# KiCad board Wrap030-Multiuser.kicad_pcb (continued)
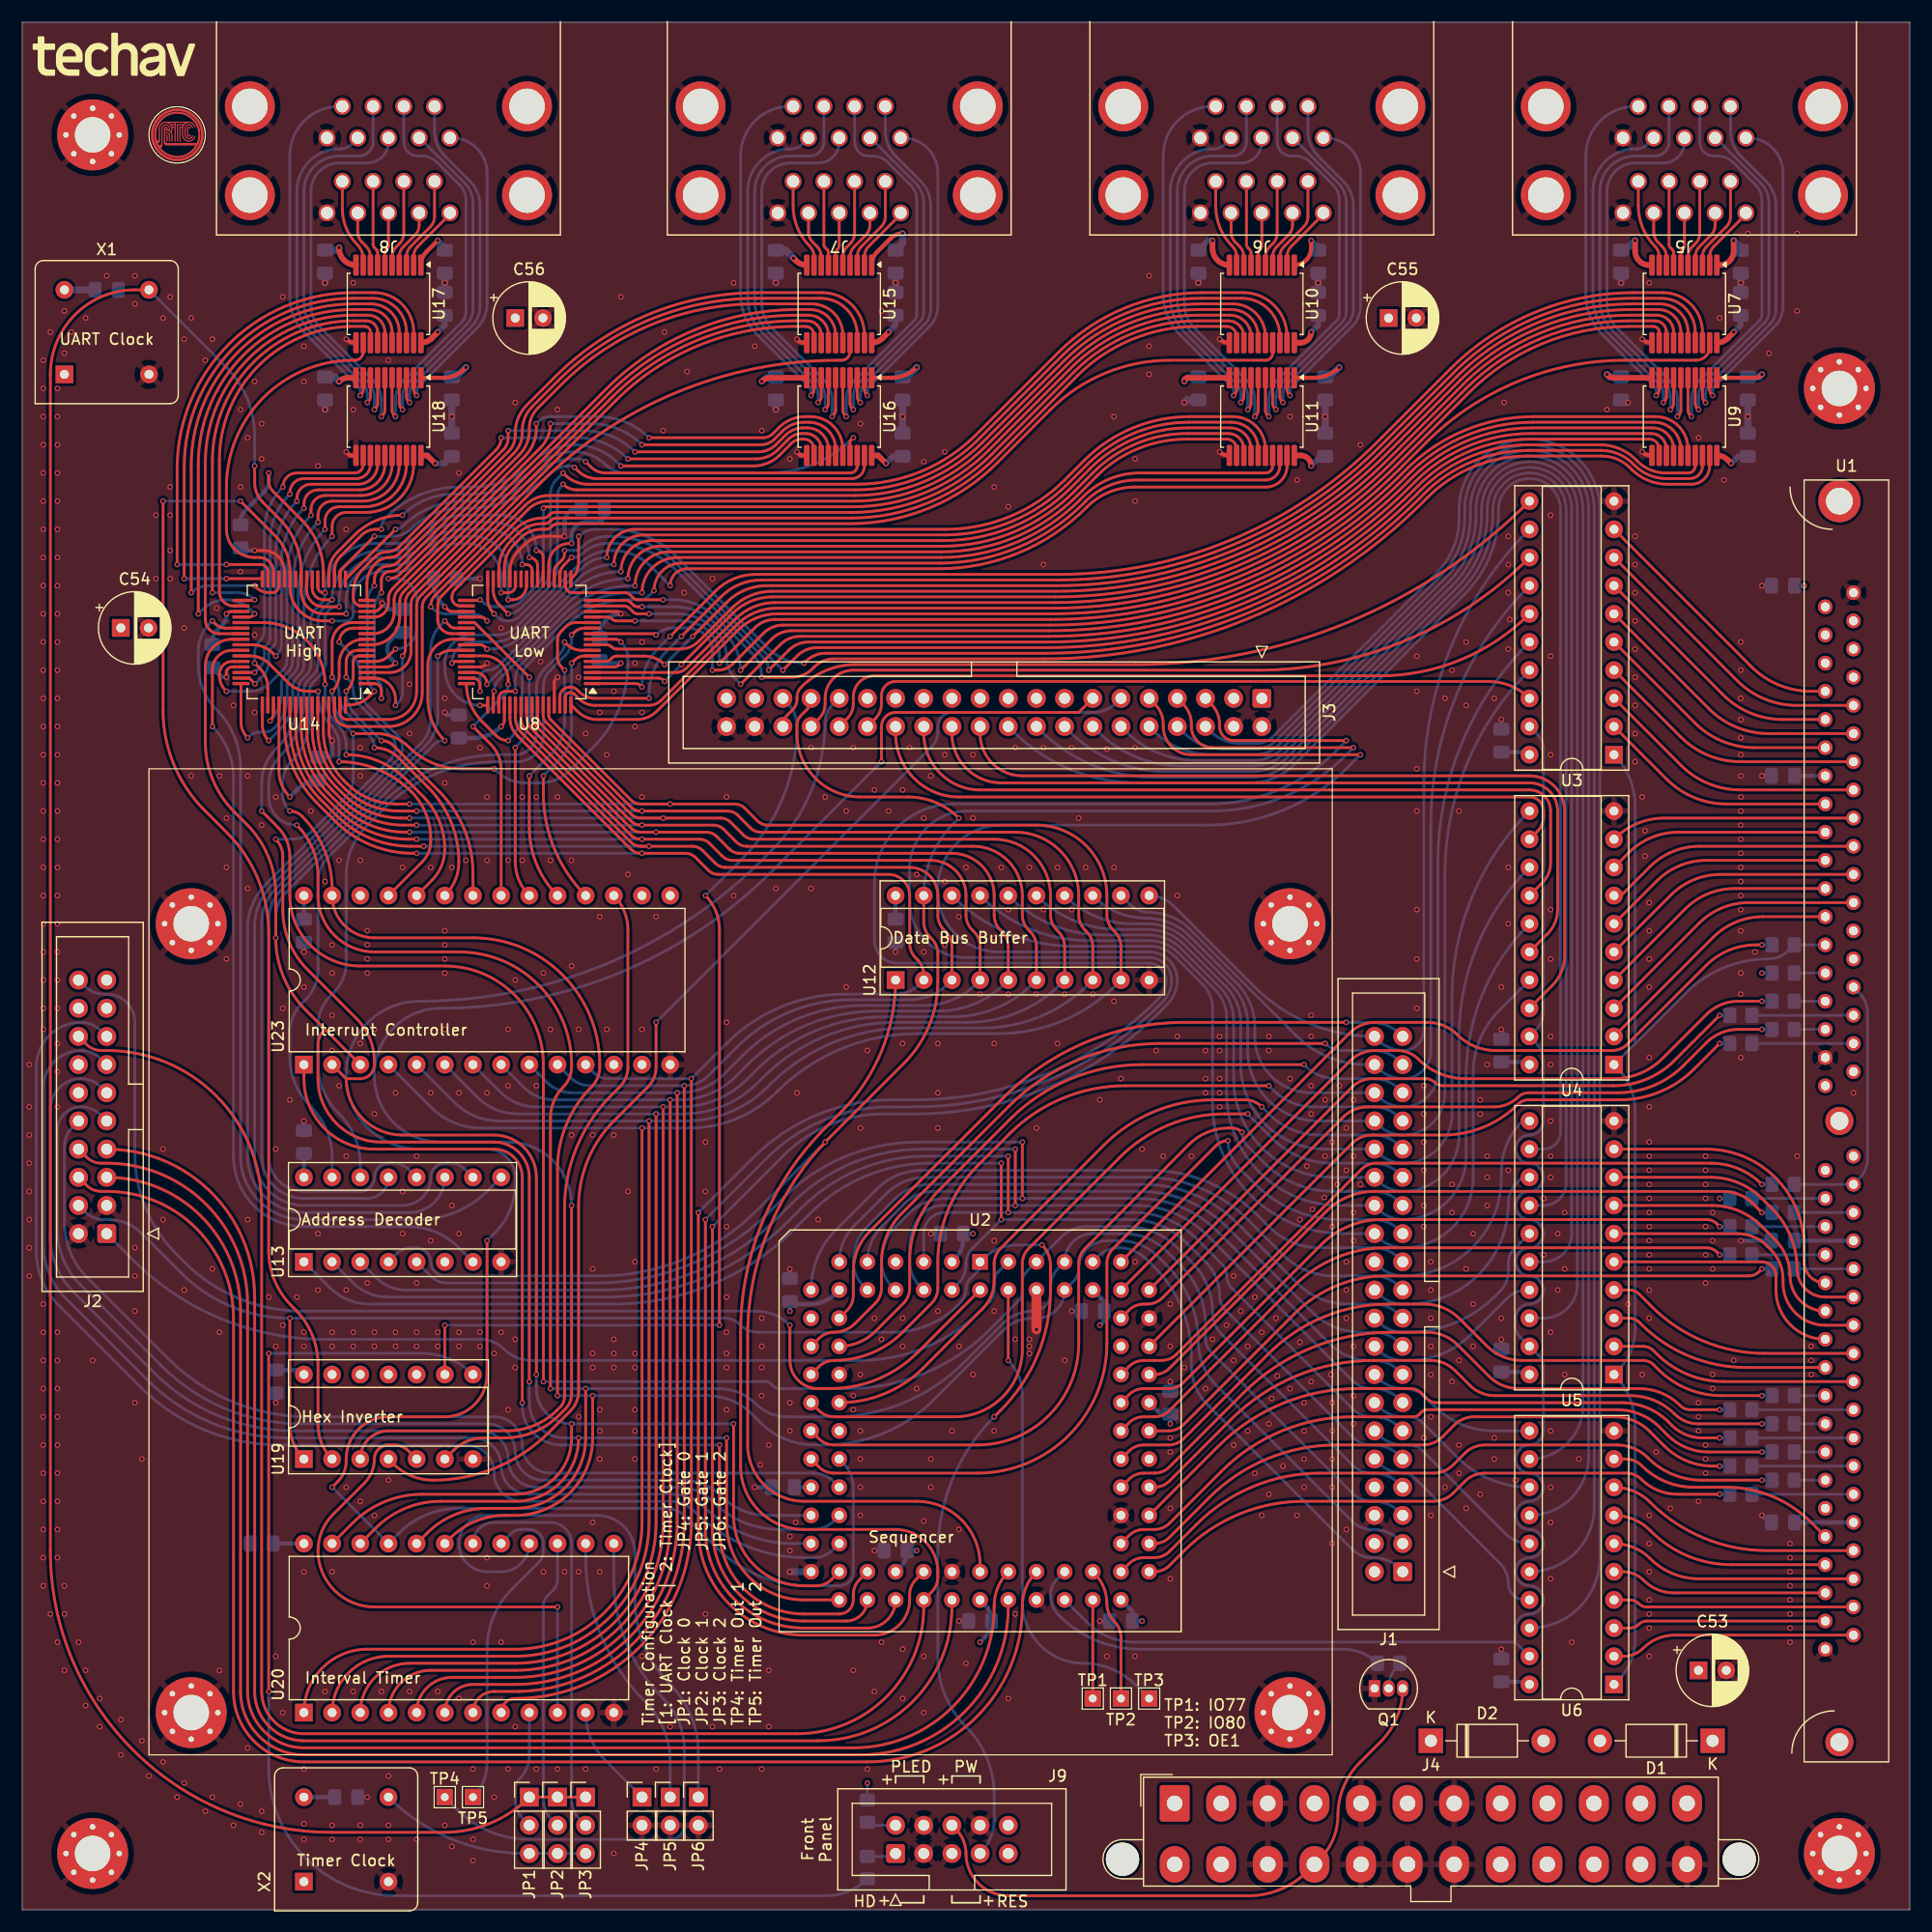
[diagram p0: board, top side]
## Routing (per net, layer and track width the routed paths; a pad name or vN(x,y) marks a point on that pad's centre or on a via; arc(x,y) is an arc through that point) (continued)
  Bottom w0.254: v1(18.42,109.86) 20.54,109.86 arc(21.51,110.05) 22.33,110.6 23.5,111.77 arc(23.78,112.18) 23.88,112.67 23.88,120.52 arc(24.44,123.34) v1(26.03,125.73)
/UART7-RXD: length 32
  Top w0.254: 34,131.12 34,130.3 arc(33.03,127.97) 30.69,127 27.94,127 arc(27.04,126.63) 26.67,125.73 v1(26.67,125.1) ; U14.51 22.65,107.91 arc(22.57,107.52) v1(22.35,107.19)
  Bottom w0.254: v1(26.67,125.1) arc(24.98,122.56) 24.38,119.58 24.38,112.54 arc(24.29,112.05) 24.01,111.64 23.74,111.37 arc(23.46,110.96) 23.37,110.47 23.37,109.64 arc(23.1,108.31) v1(22.35,107.19)
/UART7-TXD: length 28
  Top w0.254: U14.41 20.79,114.05 arc(21.76,113.86) 22.58,113.31 v1(22.86,113.03) ; 32.7,131.12 32.7,130.3 arc(32.03,128.69) 30.41,128.02 26.67,128.02 arc(25.77,127.64) 25.4,126.75 v1(25.4,126.37)
  Bottom w0.254: v1(22.86,113.03) 23,113.17 arc(23.27,113.58) 23.37,114.06 23.37,121.46 arc(23.9,124.11) v1(25.4,126.37)
/UART-CLK: length 245.9
  Top w0.254: JP3.1 JP1.1 arc(42.2,7.81) 38.05,6.99 27.94,6.99 arc(9.98,14.42) 2.54,32.39 2.54,138.43 arc(4.77,143.82) 10.16,146.05 X1.5 ; v1(20.95,130.18) 20.95,128.69 arc(21.15,127.72) 21.7,126.89 23.2,125.39 arc(24.64,123.23) 25.15,120.69 U14.25 25.15,118.87 arc(25.75,117.44) 27.18,116.84 v1(29.21,116.84) ; U8.25 45.47,119.38 arc(45.1,118.48) 44.2,118.11 v1(43.81,118.11)
  Bottom w0.254: v1(43.81,118.11) 43.81,120.65 arc(42.89,122.9) 40.64,123.83 39.8,123.83 arc(37.64,123.4) 35.81,122.17 35.67,122.03 arc(34.84,121.48) 33.87,121.29 32.39,121.29 arc(30.14,120.36) 29.21,118.11 v1(29.21,116.84) ; v1(20.95,130.18) 20.95,132.89 arc(20.29,136.25) 18.38,139.1 X1.5
/UART-D24: length 193.6
  Top w0.254: U12.2 81.28,84.3 arc(81.13,85.03) 80.72,85.65 80.57,85.8 arc(80.16,86.42) 80.01,87.15 80.01,91.44 arc(79.45,92.79) 78.11,93.35 62.76,93.35 arc(62.27,93.44) 61.86,93.72 60.7,94.88 arc(60.28,95.15) 59.8,95.25 v1(55.88,95.25) 55.77,95.25 arc(55.29,95.35) 54.87,95.62 44.64,105.86 arc(44.14,106.6) 43.97,107.47 U8.53 ; U14.53 23.65,106.82 arc(24.4,103.03) 26.55,99.81 28.22,98.15 arc(31.43,96) 35.22,95.25 v1(35.56,95.25) ; v1(60.33,74.93) 60.33,34.93 arc(55.68,23.7) 44.45,19.05 arc(43.55,18.68) U20.8
  Bottom w0.254: U12.2 80.91,83.45 arc(79.91,82.78) 78.74,82.55 74.15,82.55 arc(68.42,81.41) 63.56,78.16 v1(60.33,74.93) 52.86,74.93 arc(52.13,75.08) 51.51,75.49 U23.11 ; v1(35.56,95.25) v1(55.88,95.25)
/UART-D25: length 202.1
  Top w0.254: U8.54 44.47,107.5 arc(44.62,106.72) 45.07,106.06 54.87,96.26 arc(55.29,95.98) 55.77,95.89 v1(56.52,95.89) 60.43,95.89 arc(60.92,95.79) 61.33,95.51 62.49,94.35 arc(62.91,94.08) 63.39,93.98 80.01,93.98 arc(81.81,93.24) 82.55,91.44 82.55,89.69 arc(82.7,88.96) 83.11,88.34 83.26,88.19 arc(83.67,87.57) 83.82,86.84 U12.3 ; v1(36.2,95.89) 35.01,95.89 arc(31.41,96.6) 28.36,98.64 26.9,100.1 arc(24.87,103.15) 24.15,106.74 U14.54 ; v1(59.69,74.3) 59.69,34.93 arc(55.36,24.29) 44.84,19.69 44.83,19.69 42.55,19.69 arc(41.2,19.13) U20.7
  Bottom w0.254: U23.10 49.42,75.04 arc(50.25,74.49) 51.22,74.3 v1(59.69,74.3) arc(60.86,74.53) 61.86,75.19 64.47,77.8 arc(69.16,80.94) 74.7,82.04 79.95,82.04 arc(81.88,82.43) 83.52,83.52 U12.3 ; v1(36.2,95.89) v1(56.52,95.89)
/UART-D26: length 209.4
  Top w0.254: U8.55 44.97,107.53 arc(45.11,106.85) 45.49,106.27 54.87,96.89 arc(55.29,96.62) 55.77,96.52 v1(55.88,96.52) 61.07,96.52 arc(61.55,96.42) 61.97,96.15 63.13,94.99 arc(63.54,94.71) 64.03,94.62 81.92,94.62 arc(84.16,93.69) 85.09,91.44 85.09,89.69 arc(85.24,88.96) 85.65,88.34 85.8,88.19 arc(86.21,87.57) 86.36,86.84 U12.4 ; v1(35.56,96.52) 34.8,96.52 arc(31.4,97.2) 28.51,99.12 27.25,100.38 arc(25.33,103.27) 24.65,106.67 U14.55 ; v1(59.06,73.66) 59.06,34.93 arc(54.78,24.6) 44.45,20.32 40.64,20.32 arc(38.84,19.58) U20.6
  Bottom w0.254: U23.9 47.33,74.59 arc(48.36,73.9) 49.58,73.66 v1(59.06,73.66) 59.25,73.66 arc(61.42,74.09) 63.26,75.32 64.94,77 arc(69.96,80.36) 75.88,81.53 81.34,81.53 arc(83.87,82.04) 86.01,83.47 U12.4 ; v1(35.56,96.52) v1(55.88,96.52)
/UART-D27: length 218.6
  Top w0.254: U8.56 45.47,107.56 arc(45.59,106.98) 45.92,106.48 54.87,97.53 arc(55.29,97.25) 55.77,97.16 v1(57.15,97.16) 61.7,97.16 arc(62.19,97.06) 62.6,96.78 63.76,95.62 arc(64.18,95.35) 64.66,95.25 83.82,95.25 arc(86.51,94.13) 87.63,91.44 87.63,89.69 arc(87.78,88.96) 88.19,88.34 88.34,88.19 arc(88.75,87.57) 88.9,86.84 U12.5 ; v1(34.92,97.16) 34.59,97.16 arc(31.38,97.79) 28.66,99.61 27.61,100.66 arc(25.79,103.38) 25.15,106.59 U14.56 ; v1(58.42,73.03) 58.42,34.93 arc(54.33,25.05) 44.45,20.96 38.73,20.96 arc(36.49,20.03) U20.5
  Bottom w0.254: U23.8 45.24,74.14 arc(46.48,73.32) 47.93,73.03 v1(58.42,73.03) 59.26,73.03 arc(62,73.57) 64.33,75.12 65.43,76.23 arc(70.75,79.78) 77.02,81.03 82.59,81.03 arc(85.84,81.67) 88.59,83.51 U12.5 ; v1(34.92,97.16) v1(57.15,97.16)
/UART-D28: length 225.3
  Top w0.254: U14.57 25.65,106.52 arc(26.25,103.5) 27.96,100.95 28.81,100.1 arc(31.36,98.39) 34.38,97.79 v1(35.56,97.79) ; v1(57.78,72.39) 57.78,34.93 arc(53.88,25.5) 44.45,21.59 36.83,21.59 arc(34.14,20.47) U20.4 ; U12.6 91.44,86.84 arc(91.29,87.57) 90.88,88.19 90.73,88.34 arc(90.32,88.96) 90.17,89.69 90.17,91.44 arc(88.87,94.58) 85.73,95.89 65.3,95.89 arc(64.81,95.98) 64.4,96.26 63.24,97.42 arc(62.82,97.69) 62.34,97.79 v1(55.88,97.79) 55.77,97.79 arc(55.29,97.89) 54.87,98.16 46.34,106.69 arc(46.07,107.11) 45.97,107.59 U8.57
  Bottom w0.254: v1(35.56,97.79) v1(55.88,97.79) ; U23.7 43.15,73.69 arc(44.59,72.73) 46.29,72.39 v1(57.78,72.39) 59.34,72.39 arc(62.6,73.04) 65.36,74.88 66.12,75.65 arc(71.52,79.25) 77.88,80.52 83.9,80.52 arc(87.82,81.3) 91.13,83.51 U12.6
/UART-D29: length 235.2
  Top w0.254: U14.58 26.15,106.44 arc(26.71,103.62) 28.31,101.23 28.96,100.58 arc(31.35,98.99) 34.17,98.43 v1(34.92,98.43) ; v1(57.15,71.76) 57.15,34.93 arc(53.43,25.94) 44.45,22.23 34.92,22.23 arc(31.78,20.92) U20.3 ; U8.58 46.47,107.62 arc(46.55,107.23) 46.77,106.9 54.87,98.8 arc(55.29,98.52) 55.77,98.43 v1(57.78,98.43) 62.97,98.43 arc(63.46,98.33) 63.87,98.05 65.03,96.89 arc(65.45,96.62) 65.93,96.52 87.63,96.52 arc(91.22,95.03) 92.71,91.44 92.71,89.69 arc(92.86,88.96) 93.27,88.34 93.42,88.19 arc(93.83,87.57) 93.98,86.84 U12.7
  Bottom w0.254: U12.7 93.64,83.48 arc(89.8,80.91) 85.26,80.01 78.76,80.01 arc(72.29,78.72) 66.8,75.06 66.27,74.52 arc(63.2,72.47) 59.58,71.76 v1(57.15,71.76) 44.65,71.76 arc(42.71,72.14) 41.06,73.24 U23.6 ; v1(34.92,98.43) v1(57.78,98.43)
/UART-D30: length 241.3
  Top w0.254: U8.59 46.97,107.65 arc(47.03,107.36) 47.19,107.11 54.87,99.43 arc(55.29,99.16) 55.77,99.06 v1(55.88,99.06) 63.61,99.06 arc(64.09,98.96) 64.51,98.69 65.67,97.53 arc(66.08,97.25) 66.57,97.16 89.54,97.16 arc(93.58,95.48) 95.25,91.44 95.25,89.69 arc(95.4,88.96) 95.81,88.34 95.96,88.19 arc(96.37,87.57) 96.52,86.84 U12.8 ; v1(35.56,99.06) 33.96,99.06 arc(31.33,99.58) 29.11,101.07 28.66,101.52 arc(27.17,103.74) 26.65,106.37 U14.59 ; v1(56.52,71.12) 56.52,34.93 arc(52.98,26.39) 44.45,22.86 33.02,22.86 arc(29.43,21.37) U20.2
  Bottom w0.254: v1(35.56,99.06) v1(55.88,99.06) ; U12.8 96.18,83.48 arc(91.77,80.54) 86.57,79.5 79.72,79.5 arc(73.07,78.18) 67.42,74.41 67.2,74.18 arc(63.81,71.92) 59.8,71.12 v1(56.52,71.12) 43.01,71.12 arc(40.82,71.56) 38.97,72.79 U23.5
/UART-D31: length 251.8
  Top w0.254: U12.9 99.06,86.84 arc(98.91,87.57) 98.5,88.19 98.35,88.34 arc(97.94,88.96) 97.79,89.69 97.79,91.44 arc(95.93,95.93) 91.44,97.79 67.2,97.79 arc(66.72,97.89) 66.3,98.16 65.14,99.32 arc(64.73,99.6) 64.24,99.7 v1(58.42,99.7) 55.77,99.7 arc(55.29,99.79) 54.87,100.07 47.62,107.32 arc(47.51,107.49) 47.47,107.68 U8.60 ; U14.60 27.15,106.29 arc(27.63,103.86) 29.01,101.8 29.26,101.55 arc(31.32,100.18) 33.75,99.7 v1(34.92,99.7) ; v1(55.88,70.49) 55.88,34.93 arc(52.53,26.84) 44.45,23.5 31.12,23.5 arc(27.07,21.82) U20.1
  Bottom w0.254: v1(34.92,99.7) v1(58.42,99.7) ; U23.4 36.88,72.34 arc(38.94,70.97) 41.37,70.49 v1(55.88,70.49) 60.19,70.49 arc(64.42,71.33) 68.01,73.73 arc(73.85,77.62) 80.73,78.99 88.03,78.99 arc(93.76,80.13) 98.62,83.38 U12.9
/~{CPU-AS}: length 111
  Top w0.254: U2.2 80.74,50.26 arc(77.12,47.84) 72.84,46.99 71.76,46.99 arc(69.96,47.73) 69.22,49.53 v1(69.22,52.71)
  Bottom w0.254: J2.20 5.61,83.29 arc(6.43,82.74) 7.4,82.55 7.62,82.55 arc(9.42,81.81) 10.16,80.01 10.16,68.13 arc(11.13,63.27) 13.88,59.15 14.68,58.35 arc(19.52,55.11) 25.23,53.98 66.15,53.98 arc(67.81,53.64) v1(69.22,52.71)
/~{CPU-CBACK}: length 195
  Top w0.254: v1(120.02,104.78) 107.32,104.78 arc(105.97,105.33) 105.41,106.68 105.41,106.9 arc(105.22,107.87) 104.67,108.69 J3.7 ; v1(61.59,62.23) 61.59,34.29 arc(64.2,28) 70.48,25.4 76.2,25.4 arc(78,26.14) U2.37
  Bottom w0.254: v1(120.02,104.78) 119.3,104.06 arc(113.76,100.36) 107.23,99.06 85.19,99.06 arc(81.53,97.54) 80.01,93.88 80.01,90.93 arc(81.5,87.34) 85.09,85.85 101.6,85.85 arc(103.04,85.26) 103.63,83.82 arc(103.42,82.76) 102.82,81.87 102.44,81.48 arc(92.37,74.75) 80.48,72.39 78.27,72.39 arc(72.25,71.19) 67.15,67.78 v1(61.59,62.23)
/~{CPU-CBREQ}: length 204
  Top w0.254: v1(60.96,62.87) 60.96,34.29 arc(63.75,27.55) 70.48,24.77 76.84,24.77 arc(79.08,25.69) 80.01,27.94 80.01,28.42 arc(80.16,29.15) 80.57,29.77 U2.40 ; v1(119.38,105.41) 109.22,105.41 arc(108.32,105.78) 107.95,106.68 107.95,106.9 arc(107.76,107.87) 107.21,108.69 J3.5
  Bottom w0.254: v1(60.96,62.87) 65.94,67.84 arc(71.68,71.68) 78.45,73.03 80.53,73.03 arc(92.37,75.38) 102.41,82.09 arc(102.94,82.88) 103.12,83.82 arc(102.68,84.9) 101.6,85.34 78.87,85.34 arc(77.43,85.94) 76.84,87.38 76.84,92.57 arc(78.92,97.61) 83.96,99.7 107,99.7 arc(113.16,100.92) 118.38,104.41 v1(119.38,105.41)
/~{CPU-DSACK0}: length 129.4
  Top w0.254: U2.41 83.82,27.31 arc(80.29,18.77) 71.76,15.24 25.4,15.24 arc(22.26,16.54) 20.95,19.69 20.95,55.25 arc(17.05,64.67) J2.7
/~{CPU-DSACK1}: length 134
  Top w0.254: U2.45 88.9,27.31 arc(84.99,17.88) 75.56,13.97 25.4,13.97 arc(21.36,15.64) 19.69,19.69 19.69,53.98 arc(16.15,62.51) J2.5
/~{CPU-STERM}: length 188.7
  Top w0.254: v1(62.23,61.59) 62.23,34.29 arc(64.65,28.45) 70.48,26.04 74.3,26.04 arc(75.64,26.59) U2.35 ; J3.9 102.13,108.69 arc(102.68,107.87) 102.87,106.9 102.87,106.68 arc(103.61,104.88) 105.41,104.14 v1(120.65,104.14)
  Bottom w0.254: v1(120.65,104.14) 119.56,103.05 arc(113.73,99.16) 106.87,97.79 88.27,97.79 arc(84.22,96.12) 82.55,92.08 82.55,91.81 arc(84.15,87.96) 88,86.36 101.6,86.36 arc(103.4,85.62) 104.14,83.82 arc(103.91,82.65) 103.24,81.65 102.4,80.81 arc(92.37,74.11) 80.54,71.76 77.65,71.76 arc(72.79,70.79) 68.67,68.04 v1(62.23,61.59)
/~{IDE-CE}: length 89.2
  Top w0.254: v1(38.1,52.71) U19.9 ; v1(62.87,52.71) 62.87,88.37 arc(62.53,90.03) v1(61.59,91.44)
  Bottom w0.254: v1(62.87,52.71) v1(38.1,52.71) ; v1(61.59,91.44) 64.91,94.76 arc(68.57,100.23) 69.85,106.68 arc(69.62,107.85) 68.95,108.85 J3.35
/~{IO-RD}: length 196.1
  Top w0.254: 27.3,79.38 25.55,81.13 arc(23.56,84.11) v1(22.86,87.63) 22.86,91.57 arc(22.18,94.97) 20.26,97.85 19.11,99 arc(17.19,101.88) 16.51,105.28 16.51,112.14 arc(17.22,113.84) 18.92,114.55 U14.40 ; 27.3,79.38 U23.3 ; 27.3,79.38 27.2,79.27 arc(26.81,78.68) 26.67,78 26.67,74.93 arc(28.34,70.89) 32.39,69.22 42.55,69.22 arc(44.79,68.29) 45.72,66.04 v1(45.72,47.62) ; v1(63.5,42.55) 63.5,34.93 arc(65.55,29.99) 70.48,27.94 U2.33 ; U20.22 31.87,34.41 arc(34.55,36.2) 37.71,36.83 44.45,36.83 arc(48.49,38.5) v1(50.17,42.55) ; U8.40 38.88,114.55 arc(37.25,113.88) 36.58,112.25 36.58,109.09 arc(36.97,107.1) v1(38.1,105.41)
  Bottom w0.254: v1(63.5,42.55) v1(50.17,42.55) 48.72,42.55 48.72,42.55 arc(46.65,43.48) 45.72,45.55 45.72,45.55 v1(45.72,47.62) ; v1(38.1,105.41) 37.99,105.41 arc(37.51,105.31) 37.09,105.04 23.79,91.73 arc(23.1,90.7) 22.86,89.49 v1(22.86,87.63)
/~{IO-WR}: length 200
  Top w0.254: U8.9 53.47,114.55 arc(53.71,114.5) 53.91,114.36 v1(53.98,114.3) ; v1(46.36,48.26) 46.36,66.04 arc(45.24,68.73) 42.55,69.85 34.29,69.85 arc(30.7,71.34) 29.21,74.93 ; v1(42.55,102.87) 39.58,102.87 arc(37.04,103.38) 34.89,104.81 arc(33.52,105.72) 31.91,106.05 v1(29.84,106.05) ; v1(27.94,109.86) 28.02,109.93 arc(28.43,110.55) 28.58,111.28 28.58,112.32 arc(29.23,113.9) 30.81,114.55 U14.9 ; 29.21,74.93 30.48,74.93 arc(31.38,75.3) 31.75,76.2 31.75,76.51 arc(31.34,78.57) 30.17,80.32 25.73,84.76 arc(24.08,87.24) 23.5,90.15 23.5,94.99 arc(23.33,95.82) v1(22.86,96.52) ; 29.21,74.93 U23.2 ; v1(49.53,43.82) 49.53,42.55 arc(48.04,38.95) 44.45,37.47 36.07,37.47 arc(32.67,36.79) 29.78,34.86 U20.23 ; v1(64.14,43.82) 64.14,35.56 arc(65.99,31.07) 70.48,29.21 71.6,29.21 arc(72.33,29.36) 72.95,29.77 U2.34
  Bottom w0.254: v1(64.14,43.82) v1(49.53,43.82) arc(47.28,44.74) 46.36,46.99 v1(46.36,48.26) ; v1(53.98,114.3) 54.05,114.23 arc(54.46,113.61) 54.61,112.88 54.61,112.34 arc(53.8,108.28) 51.51,104.85 49.38,102.72 arc(48.14,101.89) 46.68,101.6 45.39,101.6 arc(43.94,101.89) 42.7,102.72 v1(42.55,102.87) ; v1(22.86,96.52) 24.35,96.52 arc(25.32,96.71) 26.14,97.26 29.1,100.22 arc(29.65,101.05) 29.84,102.02 v1(29.84,106.05) 29.29,106.6 arc(28.29,108.1) v1(27.94,109.86)
/~{IRQ0}: length 111.2
  Top w0.254: v1(57.15,80.01) 57.15,75.98 arc(56.96,75.01) 56.41,74.19 53.36,71.14 arc(50.99,67.6) 50.17,63.43 50.17,46.77 arc(49.97,45.8) 49.42,44.98 47.51,43.07 arc(42.71,39.86) 37.05,38.74 arc(35.09,39.13) 33.42,40.24 U19.4
  Bottom w0.254: J3.11 98.68,108.84 arc(97.69,108.18) 96.52,107.95 83.82,107.95 arc(82.92,107.58) 82.55,106.68 82.55,106.2 arc(82.4,105.47) 81.99,104.85 v1(57.15,80.01)
/~{IRQ1}: length 135.3
  Top w0.254: J3.13 95.25,107.95 78.74,107.95 arc(77.84,107.58) 77.47,106.68 v1(77.47,103.51) ; U19.6 38.89,41.43 arc(40.13,42.25) 41.58,42.55 43.46,42.55 arc(46.13,43.08) 48.4,44.59 48.97,45.16 arc(49.38,45.78) 49.53,46.51 v1(49.53,63.5)
  Bottom w0.254: v1(77.47,103.51) 67.64,93.67 arc(53.91,84.5) 37.72,81.28 arc(33.5,79.53) 31.75,75.31 31.75,75.18 arc(33.5,70.96) 37.72,69.22 43.81,69.22 arc(47.86,67.54) v1(49.53,63.5)
/~{MEM-CAS0-R}: length 9.2
  Bottom w0.254: R14.2 U1.40
/~{MEM-CAS0}: length 62.7
  Top w0.254: v1(153.04,78.11) 150.74,75.81 arc(147.66,73.75) 144.02,73.03 135.78,73.03 arc(135.3,72.93) 134.88,72.65 arc(131.78,70.58) 128.12,69.85 121.7,69.85 arc(120.73,69.66) 119.91,69.11 U2.70
  Bottom w0.254: R14.1 v1(153.04,78.11)
/~{MEM-CAS1-R}: length 2.8
  Bottom w0.254: U1.43 R15.2
/~{MEM-CAS1}: length 70.6
  Top w0.254: v1(156.85,81.92) 154.71,81.92 arc(153.16,81.61) 151.85,80.73 147.88,76.76 arc(145.85,75.41) 143.46,74.93 130.12,74.93 arc(127.82,75.39) 125.88,76.69 arc(125.01,77.27) 123.99,77.47 121.97,77.47 arc(120.75,77.23) 119.72,76.54 U2.76
  Bottom w0.254: R15.1 v1(156.85,81.92)
/~{MEM-CAS2-R}: length 2.8
  Bottom w0.254: U1.41 R16.2
/~{MEM-CAS2}: length 68.4
  Top w0.254: v1(156.85,79.38) 154.72,79.38 arc(153.16,79.07) 151.84,78.18 149.78,76.12 arc(147.05,74.3) 143.84,73.66 135.78,73.66 arc(135.3,73.56) 134.88,73.29 arc(133.89,72.62) 132.72,72.39 121.33,72.39 arc(120.12,72.15) 119.09,71.46 102.79,55.17 arc(102.17,54.76) 101.45,54.61 101.12,54.61 arc(100.39,54.46) 99.77,54.05 U2.73
  Bottom w0.254: R16.1 v1(156.85,79.38)
/~{MEM-CAS3-R}: length 9.2
  Bottom w0.254: R17.2 165.1,80.65
/~{MEM-CAS3}: length 62.6
  Top w0.254: v1(153.04,80.65) 148.95,76.56 arc(146.44,74.88) 143.48,74.3 128.11,74.3 arc(127.67,74.38) 127.3,74.63 arc(126.97,74.85) 126.58,74.93 121.7,74.93 arc(120.73,74.74) 119.91,74.19 U2.74
  Bottom w0.254: R17.1 v1(153.04,80.65)
/~{MEM-CE}: length 148.8
  Bottom w0.254: 134.62,24.13 U6.19 ; 134.62,24.13 100.31,24.13 arc(97.98,24.59) 96.01,25.91 U2.49 ; 134.62,24.13 134.62,25.4 arc(134.99,26.3) 135.89,26.67 arc(136.79,27.04) 137.16,27.94 arc(136.79,28.84) 135.89,29.21 arc(134.99,29.58) 134.62,30.48 arc(134.99,31.38) 135.89,31.75 arc(136.79,32.12) 137.16,33.02 arc(136.79,33.92) 135.89,34.29 arc(134.99,34.66) 134.62,35.56 arc(134.99,36.46) 135.89,36.83 arc(136.79,37.2) 137.16,38.1 arc(136.79,39) 135.89,39.37 arc(134.99,39.74) 134.62,40.64 arc(134.99,41.54) 135.89,41.91 arc(136.79,42.28) 137.16,43.18 137.16,49 arc(137.06,49.49) 136.79,49.9 U5.19 134.99,51.7 arc(134.72,52.11) 134.62,52.59 134.62,53.45 arc(135.03,54.28) 135.89,54.61 arc(136.79,54.98) 137.16,55.88 arc(136.79,56.78) 135.89,57.15 arc(134.99,57.52) 134.62,58.42 arc(134.99,59.32) 135.89,59.69 arc(136.79,60.06) 137.16,60.96 arc(136.79,61.86) 135.89,62.23 arc(134.99,62.6) 134.62,63.5 arc(134.99,64.4) 135.89,64.77 arc(136.79,65.14) 137.16,66.04 arc(136.79,66.94) 135.89,67.31 arc(134.99,67.68) 134.62,68.58 arc(134.99,69.48) 135.89,69.85 arc(136.79,70.22) 137.16,71.12 137.16,76.42 arc(136.97,77.39) 136.42,78.21 U4.19 136.42,79.27 arc(136.97,80.09) 137.16,81.06 137.16,104.67 arc(137.02,105.35) 136.64,105.93 U3.19
/~{MEM-RAS-R}: length 24
  Bottom w0.254: R13.2 165.1,65.41 165.63,65.93 arc(166.18,66.76) 166.37,67.73 166.37,80.86 arc(166.18,81.83) 165.63,82.66 U1.44
/~{MEM-RAS}: length 66.8
  Top w0.254: U2.69 99.77,48.97 arc(100.39,49.38) 101.12,49.53 102.72,49.53 arc(103.44,49.68) 104.06,50.09 120.73,66.75 arc(121.35,67.16) 122.07,67.31 152.25,67.31 arc(154.73,66.81) v1(156.85,65.41)
  Bottom w0.254: R13.1 v1(156.85,65.41)
/~{MEM-WE-R}: length 107.6
  Bottom w0.254: U1.47 R18.2 159.22,86.47 arc(158.4,85.92) 157.43,85.73 arc(153.37,84.92) 149.93,82.62 145.42,78.11 ; 145.42,78.11 U4.1 143.83,75.88 arc(145,74.12) 145.42,72.05 145.42,52.33 arc(145.02,50.33) 143.89,48.64 U5.1 arc(144.92,46.15) 145.42,43.66 145.42,24.34 arc(145.03,22.39) 143.92,20.73 U6.1 ; 145.42,78.11 145.42,99.54 arc(144.92,102.03) U3.1
/~{MEM-WE}: length 71.8
  Top w0.254: U2.75 119.72,79.08 arc(120.75,79.77) 121.97,80.01 126.69,80.01 arc(128.15,79.72) 129.39,78.89 arc(130.96,77.84) 132.82,77.47 143.36,77.47 arc(144.08,77.62) 144.7,78.03 151.81,85.14 arc(153.87,86.51) 156.3,87 v1(156.85,87)
  Bottom w0.254: R18.1 v1(156.85,87)
/~{PIC-CE}: length 94.2
  Top w0.254: v1(62.87,41.91) 62.87,34.29 arc(65.1,28.9) 70.48,26.67 73.66,26.67 arc(74.56,27.04) 74.93,27.94 74.93,28.42 arc(75.08,29.15) 75.49,29.77 U2.36 ; U23.1 25.4,74.93 arc(27.26,70.44) 31.75,68.58 42.55,68.58 arc(44.34,67.84) 45.09,66.04 v1(45.09,45.72)
  Bottom w0.254: v1(62.87,41.91) 48.62,41.91 arc(46.12,42.95) 45.09,45.45 v1(45.09,45.72)
/~{PIT-CE}: length 184.1
  Top w0.254: v1(41.91,60.33) 41.91,48.26 arc(40.79,45.57) 38.1,44.45 33.02,44.45 arc(30.33,43.33) 29.21,40.64 29.21,40.42 arc(29.02,39.45) 28.47,38.63 v1(27.94,38.1)
  Bottom w0.254: v1(27.94,38.1) U20.21 33.96,33.96 arc(36.44,35.61) 39.35,36.2 58,36.2 arc(58.97,36) 59.8,35.45 62.52,32.73 arc(66.42,30.13) 71.02,29.21 73.66,29.21 arc(74.56,29.58) 74.93,30.48 74.93,38.05 arc(74.69,39.27) 74,40.3 U2.25 ; v1(41.91,60.33) 42.59,61.01 arc(43.97,63.07) 44.45,65.5 44.45,66.04 arc(43.71,67.84) 41.91,68.58 35.81,68.58 arc(31.14,70.51) 29.21,75.18 29.21,75.31 arc(31.14,79.98) 35.81,81.92 arc(52.59,85.25) 66.82,94.76 67.52,95.46 arc(71.13,100.85) 72.39,107.21 arc(72.53,107.89) 72.91,108.47 J3.31
/~{PSU-ON}: length 55.7
  Top w0.254: J9.6 84.19,7.25 arc(84.86,6.25) 85.09,5.08 arc(86.21,2.39) 88.9,1.27 110.57,1.27 arc(113.43,1.84) 115.86,3.46 J4.16 117.01,4.61 arc(118.2,6.39) 118.62,8.5 arc(119.13,11.09) 120.6,13.29 122.47,15.15 arc(123.94,17.36) Q1.3
/~{RESET}: length 166.8
  Top w0.254: v1(87.63,44.45) 88.22,45.04 arc(91.54,50.01) 92.71,55.88 92.71,58.1 arc(92.51,59.1) v1(91.95,59.94) ; v1(24.13,53.34) 24.13,43.71 arc(24.46,42.05) U19.1
  Bottom w0.254: J2.4 5.61,62.97 arc(6.43,62.42) 7.4,62.23 7.76,62.23 arc(9.39,61.91) 10.77,60.98 14.37,57.38 arc(18.85,54.39) v1(24.13,53.34) 63.32,53.34 arc(64.07,53.19) 64.71,52.76 arc(65.48,52.25) 66.39,52.07 78.49,52.07 arc(81.65,52.7) 84.33,54.49 84.56,54.72 arc(84.95,55.3) 85.09,55.99 arc(85.19,56.47) 85.46,56.89 86.36,57.79 U2.1 86.55,58.61 arc(88.03,59.6) 89.77,59.94 v1(91.95,59.94) ; v1(87.63,44.45) arc(83.87,38.82) 82.55,32.19 82.55,22.63 arc(83.21,19.32) 85.08,16.52 arc(86.97,13.7) 87.63,10.37 87.63,8.15 arc(87.3,6.49) J9.7
/~{UART0-CS}: length 65.8
  Top w0.254: v1(48.89,114.3) 49.09,114.11 arc(49.71,113.7) 50.43,113.55 U8.7
  Bottom w0.254: U13.15 27.94,67.85 arc(27.46,70.28) 26.08,72.34 25.99,72.44 arc(24.61,74.5) 24.13,76.93 24.13,79.07 arc(24.42,80.52) 25.25,81.76 25.55,82.07 arc(26.38,83.31) 26.67,84.76 26.67,92.66 arc(26.91,93.88) 27.6,94.91 32.42,99.73 arc(37.31,102.99) 43.07,104.14 44.46,104.14 arc(45.8,104.7) 46.36,106.04 46.36,110.07 arc(46.55,111.04) 47.1,111.87 48.52,113.29 arc(48.8,113.71) 48.89,114.19 v1(48.89,114.3)
/~{UART1-CS}: length 65
  Top w0.254: U8.11 50.67,115.55 arc(50.19,115.45) 49.77,115.18 v1(49.53,114.94)
  Bottom w0.254: v1(49.53,114.94) 49.53,114.45 arc(49.38,113.73) 48.97,113.11 47.55,111.68 arc(47.14,111.06) 46.99,110.34 46.99,105.9 arc(46.29,104.21) 44.6,103.51 42.77,103.51 arc(37.28,102.41) 32.63,99.3 31.07,97.74 arc(29.69,95.68) 29.21,93.25 29.21,85.4 arc(28.92,83.94) 28.09,82.7 27.79,82.4 arc(26.96,81.16) 26.67,79.7 26.67,76.29 arc(27.15,73.86) 28.53,71.8 28.62,71.71 arc(30,69.65) 30.48,67.22 U13.14
/~{UART2-CS}: length 71.5
  Top w0.254: U8.38 39.02,115.55 arc(38.78,115.6) 38.57,115.74 v1(38.1,116.21)
  Bottom w0.254: v1(38.1,116.21) 37.76,115.86 arc(37.07,114.83) 36.83,113.62 36.83,107.36 arc(36.59,106.15) 35.9,105.12 22.89,92.11 arc(21.93,90.66) 21.59,88.96 21.59,67.95 arc(22.71,65.25) 25.4,64.14 31.12,64.14 arc(32.46,64.69) U13.13
/~{UART3-CS}: length 70.8
  Top w0.254: U8.42 38.72,113.55 arc(38.04,113.41) v1(37.47,113.03)
  Bottom w0.254: v1(37.47,113.03) 37.47,107.62 arc(37.17,106.17) 36.35,104.93 23.34,91.92 arc(22.52,90.68) 22.23,89.23 22.23,67.95 arc(23.15,65.7) 25.4,64.77 30.48,64.77 arc(31.38,65.14) 31.75,66.04 arc(32.12,66.94) 33.02,67.31 33.5,67.31 arc(34.23,67.16) 34.85,66.75 U13.12
/~{UART4-CS}: length 76.4
  Top w0.254: v1(29.21,111.13) 29.21,112.53 arc(29.51,113.25) 30.23,113.55 U14.7
  Bottom w0.254: v1(29.21,111.13) 29.47,110.86 arc(29.75,110.45) 29.84,109.96 arc(29.98,109.28) 30.37,108.69 33.28,105.78 arc(33.56,105.37) 33.66,104.88 33.66,104.87 arc(33.52,104.2) 33.14,103.62 21.99,92.48 arc(20.76,90.62) 20.32,88.44 20.32,67.95 arc(21.81,64.35) 25.4,62.87 34.92,62.87 arc(37.17,63.79) U13.11
/~{UART5-CS}: length 81.7
  Top w0.254: U14.11 29.82,115.55 arc(28.94,115.18) v1(28.58,114.3)
  Bottom w0.254: v1(28.58,114.3) 29.74,113.14 arc(30.29,112.31) 30.48,111.34 30.48,110.27 arc(30.67,109.3) 31.22,108.48 33.84,105.86 arc(34.17,105.36) 34.29,104.78 34.29,104.77 arc(34.17,104.19) 33.84,103.69 22.44,92.29 arc(21.34,90.64) 20.95,88.7 20.95,67.95 arc(22.26,64.8) 25.4,63.5 34.29,63.5 arc(36.09,64.24) 36.83,66.04 arc(37.2,66.94) 38.1,67.31 38.58,67.31 arc(39.31,67.16) 39.93,66.75 U13.10
/~{UART6-CS}: length 80.4
  Top w0.254: U14.38 18.33,115.55 arc(17.84,115.65) 17.43,115.92 v1(17.14,116.21)
  Bottom w0.254: v1(17.14,116.21) 16.89,115.95 arc(16.14,114.83) 15.88,113.49 15.88,112.15 arc(16.3,110.03) 17.5,108.23 arc(19.12,105.81) 19.69,102.95 19.69,67.95 arc(21.36,63.9) 25.4,62.23 35.69,62.23 arc(39.09,62.91) 41.97,64.83 U13.9
/~{UART7-CS}: length 74.2
  Top w0.254: v1(17.14,106.68) 17.14,111.77 arc(17.67,113.03) 18.92,113.55 U14.42
  Bottom w0.254: U13.7 39.32,59.74 arc(37.26,61.11) 34.83,61.59 25.4,61.59 arc(20.91,63.45) 19.05,67.95 19.05,102.08 arc(18.55,104.57) v1(17.14,106.68)
/~{UART-CE}: length 158.5
  Top w0.254: U12.19 81.28,89.05 arc(81.43,88.33) 81.84,87.71 81.99,87.55 arc(82.4,86.93) 82.55,86.21 82.55,83.67 arc(81.76,79.7) 79.51,76.34 v1(72.39,69.22) 72.39,69.16 71.82,68.58 arc(67.06,60.73) 65.41,51.71 65.41,41.91 arc(66.89,38.32) 70.48,36.83 80.64,36.83 arc(84.69,35.16) 86.36,31.12 U2.44 ; J3.33 71.12,109.11 arc(71.02,108.63) 70.75,108.21 70.22,107.69 arc(69.95,107.27) 69.85,106.79 69.85,106.05 arc(71.52,102) 75.56,100.33 79.86,100.33 arc(82.34,99.83) v1(84.45,98.43)
  Bottom w0.254: v1(72.39,69.22) 66.18,63.01 arc(59.69,58.67) 52.04,57.15 38.1,57.15 arc(37.2,57.52) 36.83,58.42 arc(36.46,59.32) 35.56,59.69 35.08,59.69 arc(34.35,59.54) 33.73,59.13 U13.4 ; v1(84.45,98.43) 83.97,97.94 arc(81.98,94.96) U12.19
Net-(U1-~{RAS1}): length 2.8
  Bottom w0.254: U1.45 R19.2
Net-(U1-~{RAS3}): length 6.6
  Bottom w0.254: R20.2 U1.33
Net-(U2A-IO77): length 8.9
  Top w0.254: U2.51 TP1.1
Net-(U2A-IO80): length 12.1
  Top w0.254: TP2.1 99.06,24.55 arc(98.9,25.34) 98.46,26 arc(97.96,26.74) 97.79,27.62 arc(97.5,29.09) 96.67,30.33 U2.52
Net-(U2A-OE1): length 44.1
  Top w0.254: U2.84 v1(88.9,49.53)
  Bottom w0.254: TP3.1 100.36,20.29 arc(98.22,21.72) 95.69,22.23 arc(91.79,23.84) 90.17,27.74 90.17,46.46 arc(89.84,48.12) v1(88.9,49.53)

## Copper pours and planes (outline as drawn; the poured copper is in the pictures)
+3.3V on Bottom: 102.23,2.54 102.87,1.91 104.77,1.91 105.41,2.54 105.41,5.72 106.05,6.35 151.13,6.35 151.76,6.99 151.76,10.8 151.13,11.43 149.23,11.43 148.59,10.8 148.59,8.26 147.95,7.62 110.49,7.62 109.86,8.26 109.86,10.8 109.22,11.43 102.87,11.43 102.23,10.8
+12V on In1.Cu: 156.21,149.86 168.91,149.86 168.91,15.24 166.37,12.7 157.48,12.7 153.67,16.51 151.13,16.51 151.13,13.97 153.67,11.43 168.27,11.43 170.81,13.97 170.81,151.77 155.57,151.77 155.57,150.5
